# KiCad board bsl_drv_v1.kicad_pcb
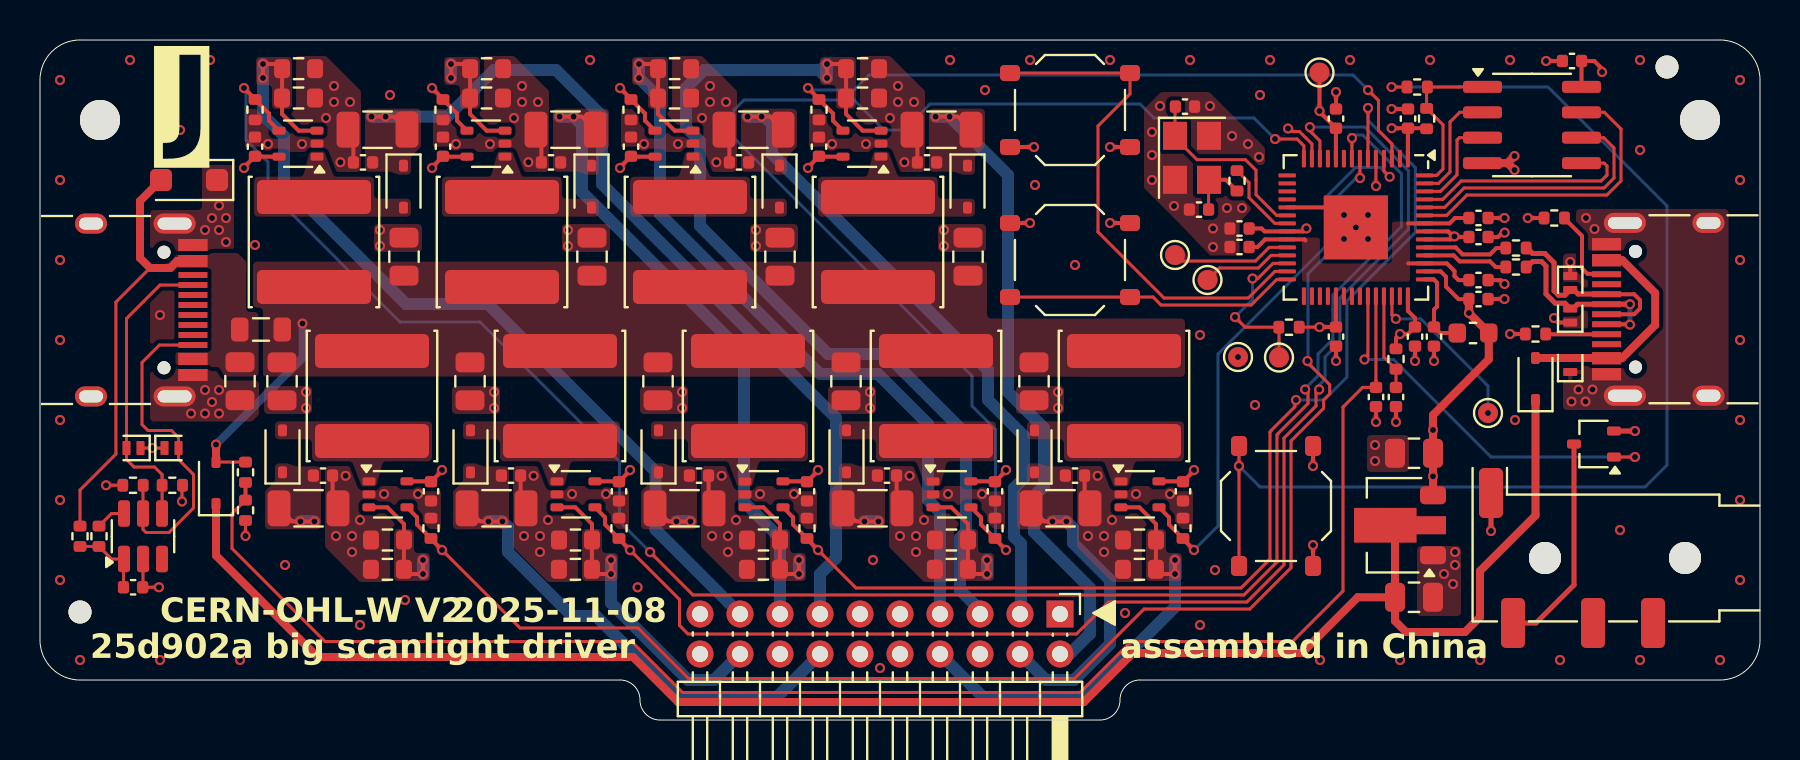
[diagram p0: board, top side]
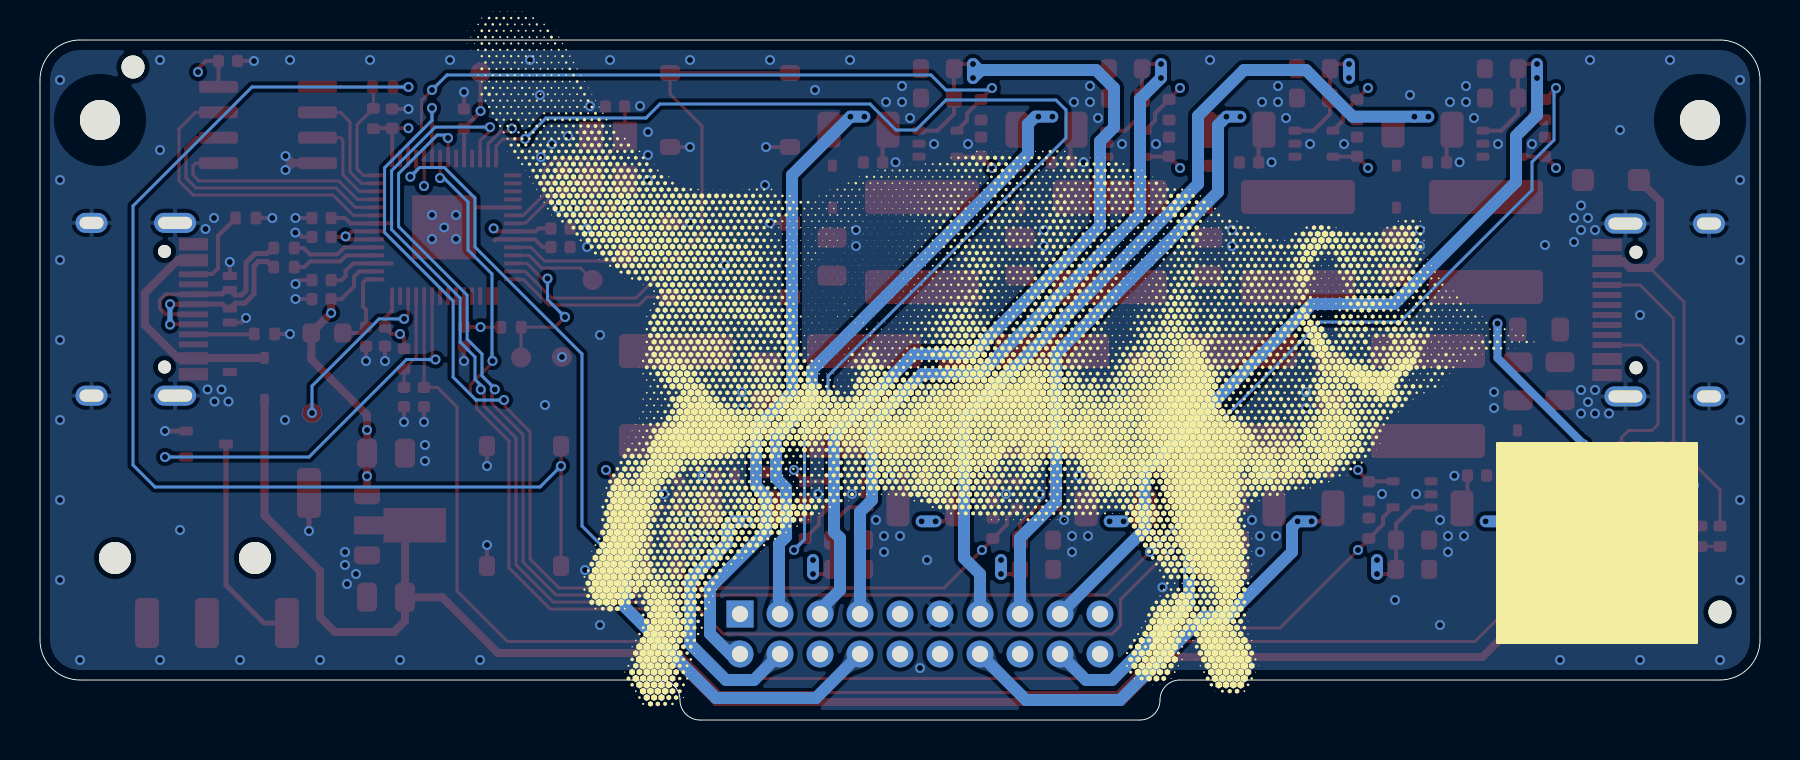
[diagram p1: board, bottom side, seen from below]

Outline 86 x 34 mm; copper layers: Top, In1.Cu, In2.Cu, Bottom. Coordinates in mm from the lower left corner of the outline.
Outline path: 0,32 arc(0.59,33.41) 2,34 84,34 arc(85.41,33.41) 86,32 86,4 arc(85.41,2.59) 84,2 55,2 arc(54.29,1.71) 54,1 arc(53.71,0.29) 53,0 31,0 arc(30.29,0.29) 30,1 arc(29.71,1.71) 29,2 2,2 arc(0.59,2.59) 0,4 0,32
Stack: Top 0.035mm / dielectric 0.1mm FR4 er 4.5 / In1.Cu 0.035mm / dielectric 1.24mm FR4 er 4.5 / In2.Cu 0.035mm / dielectric 0.1mm FR4 er 4.5 / Bottom 0.035mm

## Placement (name value [footprint] x y rotation side)
C101  0.1u  [C_0402_1005Metric]  71.92 25.1 0 top
C102  0.1u  [C_0402_1005Metric]  59.98 23.65 180 top
C103  0.1u  [C_0402_1005Metric]  64.8 19.17 270 top
C104  0.1u  [C_0402_1005Metric]  59.97 24.58 180 top
C105  0.1u  [C_0402_1005Metric]  68.75 19.17 270 top
C106  0.1u  [C_0402_1005Metric]  64.8 30.07 90 top
C107  0.1u  [C_0402_1005Metric]  71.92 24.15 0 top
C108  0.1u  [C_0402_1005Metric]  68.4 30.07 90 top
C109  2.2u  [C_0402_1005Metric]  71.92 22 0 top
C110  2.2u  [C_0402_1005Metric]  71.92 21.05 0 top
C111  2.2u  [C_0402_1005Metric]  69.7 19.17 270 top
C112  2.2u  [C_0402_1005Metric]  76.6 32.95 180 top
C113  15p  [C_0402_1005Metric]  57.25 30.67 180 top
C114  15p  [C_0402_1005Metric]  57.95 25.52 0 top
C115  0.1u  [C_0402_1005Metric]  66.8 16.15 270 top
C116  0.1u  [C_0402_1005Metric]  67.8 16.15 270 top
C201  10u  [C_0805_2012Metric]  10 16.94 270 top
C202  2.2u  [C_0402_1005Metric]  4.65 6.64 0 top
C203  10u  [C_0805_2012Metric]  68.7 6.14 0 top
C204  10u  [C_0805_2012Metric]  68.7 13.34 180 top
C301  10u  [C_0805_2012Metric]  49.7 16.94 270 top
C302  2.2u  [C_0402_1005Metric]  57.15 11.44 270 top
C303  0.1u  [C_0402_1005Metric]  51.75 12.22 0 top
C304  4.7u  [C_1206_3216Metric]  51.02 10.59 0 top
C401  10u  [C_0805_2012Metric]  18.2 23.17 90 top
C402  2.2u  [C_0402_1005Metric]  10.75 28.67 90 top
C403  0.1u  [C_0402_1005Metric]  16.15 27.88 180 top
C404  4.7u  [C_1206_3216Metric]  16.88 29.52 180 top
C501  10u  [C_0805_2012Metric]  37 23.17 90 top
C502  2.2u  [C_0402_1005Metric]  29.55 28.67 90 top
C503  0.1u  [C_0402_1005Metric]  34.95 27.88 180 top
C504  4.7u  [C_1206_3216Metric]  35.68 29.52 180 top
C601  10u  [C_0805_2012Metric]  21.5 16.94 270 top
C602  2.2u  [C_0402_1005Metric]  28.95 11.44 270 top
C603  0.1u  [C_0402_1005Metric]  23.55 12.22 0 top
C604  4.7u  [C_1206_3216Metric]  22.82 10.59 0 top
C701  10u  [C_0805_2012Metric]  30.9 16.94 270 top
C702  2.2u  [C_0402_1005Metric]  38.35 11.44 270 top
C703  0.1u  [C_0402_1005Metric]  32.95 12.22 0 top
C704  4.7u  [C_1206_3216Metric]  32.22 10.59 0 top
C801  10u  [C_0805_2012Metric]  27.6 23.17 90 top
C802  2.2u  [C_0402_1005Metric]  20.15 28.67 90 top
C803  0.1u  [C_0402_1005Metric]  25.55 27.88 180 top
C804  4.7u  [C_1206_3216Metric]  26.28 29.52 180 top
C901  10u  [C_0805_2012Metric]  40.3 16.94 270 top
C902  2.2u  [C_0402_1005Metric]  47.75 11.44 270 top
C903  0.1u  [C_0402_1005Metric]  42.35 12.22 0 top
C904  4.7u  [C_1206_3216Metric]  41.62 10.59 0 top
C1001  10u  [C_0805_2012Metric]  46.4 23.17 90 top
C1002  2.2u  [C_0402_1005Metric]  38.95 28.67 90 top
C1003  0.1u  [C_0402_1005Metric]  44.35 27.88 180 top
C1004  4.7u  [C_1206_3216Metric]  45.08 29.52 180 top
C1101  10u  [C_0805_2012Metric]  12.1 16.94 270 top
C1102  2.2u  [C_0402_1005Metric]  19.55 11.44 270 top
C1103  0.1u  [C_0402_1005Metric]  14.15 12.22 0 top
C1104  4.7u  [C_1206_3216Metric]  13.42 10.59 0 top
D201  SMF20CA  [D_SOD-123F]  7.45 27 180 top
D202  H5VL10B  [D_SOD-882]  6.57 13.6 0 top
D203  H5VL10B  [D_SOD-882]  4.67 13.6 180 top
D204  SD103AWS  [D_SOD-323]  8.8 11.85 90 top
D205  SD103AWS  [D_SOD-323]  74.77 17.05 90 top
D206  H3V3U10B  [D_SOD-882]  76.51 21.85 270 top
D207  H3V3U10B  [D_SOD-882]  76.51 20.23 90 top
D208  H5VL10B  [D_SOD-882]  76.51 17.75 90 top
D301  SD103AWS  [D_SOD-323]  49.72 13.44 90 top
D401  SD103AWS  [D_SOD-323]  18.18 26.67 270 top
D501  SD103AWS  [D_SOD-323]  36.98 26.67 270 top
D601  SD103AWS  [D_SOD-323]  21.52 13.44 90 top
D701  SD103AWS  [D_SOD-323]  30.92 13.44 90 top
D801  SD103AWS  [D_SOD-323]  27.58 26.67 270 top
D901  SD103AWS  [D_SOD-323]  40.33 13.44 90 top
D1001  SD103AWS  [D_SOD-323]  46.38 26.67 270 top
D1101  SD103AWS  [D_SOD-323]  12.12 13.44 90 top
FB101  600ohm@100MHz  [L_0603_1608Metric]  71.65 19.35 180 top
FB201  120ohm@100MHz  [L_0805_2012Metric]  11.05 19.53 0 top
H101  M2 clearance hole, close fit  [MountingHole_2.2mm_M2_Mask_tight]  83 30 0 top
H102  M2 clearance hole, close fit  [MountingHole_2.2mm_M2_Mask_tight]  3 30 0 top
H103  tooling hole  [ToolingHole_1.152mm]  2 5.4 0 top
H104  tooling hole  [ToolingHole_1.152mm]  81.35 32.65 0 top
J101  2005WR-2x10P  [PinHeader_2x10_P2.00mm_Horizontal]  51 5.3 270 top
J102  PJ-320D-4A  [Jack_3.5mm_KoreanHropartsElec_PJ-320D-4A_Horizontal]  77.5 8.1 180 top
J201  TYPE-C-31-M-12  [USB_C_Receptacle_HRO_TYPE-C-31-M-12]  3.6 20.5 270 top
J202  TYPE-C-31-M-12  [USB_C_Receptacle_HRO_TYPE-C-31-M-12]  82.37 20.54 90 top
L301  82u  [L_Sunlord_SWPA6028S]  54.2 16.2 270 top
L401  82u  [L_Sunlord_SWPA6028S]  13.7 23.9 90 top
L501  82u  [L_Sunlord_SWPA6028S]  32.5 23.9 90 top
L601  82u  [L_Sunlord_SWPA6028S]  26 16.2 270 top
L701  82u  [L_Sunlord_SWPA6028S]  35.4 16.2 270 top
L801  82u  [L_Sunlord_SWPA6028S]  23.1 23.9 90 top
L901  82u  [L_Sunlord_SWPA6028S]  44.8 16.2 270 top
L1001  82u  [L_Sunlord_SWPA6028S]  41.9 23.9 90 top
L1101  82u  [L_Sunlord_SWPA6028S]  16.6 16.2 270 top
Q101  BSS138  [SOT-323_SC-70]  77.7 13.8 180 top
R101  27  [R_0402_1005Metric]  73.8 22.65 0 top
R102  27  [R_0402_1005Metric]  73.8 23.6 180 top
R103  1k  [R_0402_1005Metric]  68.86 31.65 0 top
R104  1k  [R_0402_1005Metric]  62.45 19.64 0 top
R105  10k  [R_0402_1005Metric]  69.33 30.07 90 top
R106  1k  [R_0402_1005Metric]  59.85 26.96 90 top
R107  20k  [R_0402_1005Metric]  10.28 12.38 90 top
R108  5.1k  [R_0402_1005Metric]  10.28 10.48 270 top
R109  5.1k  [R_0402_1005Metric]  67.8 18.05 270 top
R201  1k  [R_0402_1005Metric]  2 9.19 90 top
R202  20k  [R_0402_1005Metric]  2.95 9.19 270 top
R203  5.1k  [R_0402_1005Metric]  4.65 11.74 0 top
R204  5.1k  [R_0402_1005Metric]  6.61 11.74 0 top
R205  5.1k  [R_0402_1005Metric]  75.71 25.1 0 top
R206  5.1k  [R_0402_1005Metric]  74.77 19.3 180 top
R301  10k  [R_0402_1005Metric]  57.15 9.59 90 top
R302  5.1  [R_0603_1608Metric]  54.97 7.53 180 top
R303  5.1  [R_0603_1608Metric]  54.97 9 180 top
R401  10k  [R_0402_1005Metric]  10.75 30.52 270 top
R402  5.1  [R_0603_1608Metric]  12.93 31.1 0 top
R403  5.1  [R_0603_1608Metric]  12.93 32.57 0 top
R501  10k  [R_0402_1005Metric]  29.55 30.52 270 top
R502  5.1  [R_0603_1608Metric]  31.73 31.1 0 top
R503  5.1  [R_0603_1608Metric]  31.73 32.57 0 top
R601  10k  [R_0402_1005Metric]  28.95 9.59 90 top
R602  5.1  [R_0603_1608Metric]  26.77 9 180 top
R603  5.1  [R_0603_1608Metric]  26.77 7.54 180 top
R701  10k  [R_0402_1005Metric]  38.35 9.59 90 top
R702  5.1  [R_0603_1608Metric]  36.17 7.54 180 top
R703  5.1  [R_0603_1608Metric]  36.17 9 180 top
R801  10k  [R_0402_1005Metric]  20.15 30.52 270 top
R802  5.1  [R_0603_1608Metric]  22.33 32.57 0 top
R803  5.1  [R_0603_1608Metric]  22.33 31.1 0 top
R901  10k  [R_0402_1005Metric]  47.75 9.59 90 top
R902  5.1  [R_0603_1608Metric]  45.58 9 180 top
R903  5.1  [R_0603_1608Metric]  45.57 7.54 180 top
R1001  10k  [R_0402_1005Metric]  38.95 30.52 270 top
R1002  5.1  [R_0603_1608Metric]  41.13 32.57 0 top
R1003  5.1  [R_0603_1608Metric]  41.13 31.1 0 top
R1101  10k  [R_0402_1005Metric]  19.55 9.59 90 top
R1102  5.1  [R_0603_1608Metric]  17.37 7.54 180 top
R1103  5.1  [R_0603_1608Metric]  17.38 9 180 top
REF**  -  [orangecat]  64.64 35.1 180 bottom
SW101  TS-1187A  [SW_PTS526]  61.8 10.7 270 top
SW102  TS-1187A  [SW_PTS526]  51.5 23 0 top
SW103  TS-1187A  [SW_PTS526]  51.5 30.5 180 top
TP101  TestPoint  [TestPoint_Pad_D1.0mm]  63.97 32.38 0 top
TP102  TestPoint  [TestPoint_Pad_D1.0mm]  61.95 18.13 0 top
TP103  TestPoint  [TestPoint_Pad_D1.0mm]  56.75 23.25 0 top
TP104  TestPoint  [TestPoint_Pad_D1.0mm]  58.38 22 45 top
TP105  TestPoint  [TestPoint_Pad_D1.0mm]  59.9 18.15 0 top
TP106  TestPoint  [TestPoint_Pad_D1.0mm]  72.4 15.35 0 top
U101  W25Q16JVSNIQ  [SOIC-8_3.9x4.9mm_P1.27mm]  74.6 29.75 0 top
U102  RP2040  [QFN-56-1EP_7x7mm_P0.4mm_EP3.2x3.2mm]  65.8 24.63 270 top
U201  CH221K  [SOT-23-6]  5.15 9.19 90 top
U202  HT7533-1  [SOT-89-3]  67.7 9.74 180 top
U301  TPS61169  [SOT-353_SC-70-5]  55 11.29 0 top
U401  TPS61169  [SOT-353_SC-70-5]  12.9 28.82 180 top
U501  TPS61169  [SOT-353_SC-70-5]  31.7 28.82 180 top
U601  TPS61169  [SOT-353_SC-70-5]  26.8 11.29 0 top
U701  TPS61169  [SOT-353_SC-70-5]  36.2 11.29 0 top
U801  TPS61169  [SOT-353_SC-70-5]  22.3 28.82 180 top
U901  TPS61169  [SOT-353_SC-70-5]  45.6 11.29 0 top
U1001  TPS61169  [SOT-353_SC-70-5]  41.1 28.82 180 top
U1101  TPS61169  [SOT-353_SC-70-5]  17.4 11.29 0 top
Y101  ABM8-272-T3  [Crystal_SMD_Abracon_ABM8G-4Pin_3.2x2.5mm]  57.6 28.11 270 top

## Library data of the parts
C101-C108 C115 C116 C303 C403 C503 C603 C703 C803 C903 C1003 C1103 = -: MPN: CL05B104KB54PNC; Non-Critical: Y; Category: iND87204 Critical; LCSC: C307331; JLCPCB Basic: Y; ki_fp_filters: C_*
C109-C112 C202 C302 C402 C502 C602 C702 C802 C902 C1002 C1102 = -: MPN: CL05A225MQ5NSNC; LCSC: C12530; JLCPCB Basic: Y; ki_fp_filters: C_*
C113 C114 = -: LCSC: C1548; MPN: 0402CG150J500NT; JLCPCB Basic: Y; ki_fp_filters: C_*
C201 C203 C204 C301 C401 C501 C601 C701 C801 C901 C1001 C1101 = -: MPN: CL21A106KAYNNNE; LCSC: C15850; JLCPCB Basic: Y; ki_fp_filters: C_*
C304 C404 C504 C604 C704 C804 C904 C1004 C1104 = -: MPN: 1206B475K500NT; LCSC: C29823; JLCPCB Basic: Y; ki_fp_filters: C_*
D201 = -: LCSC: C42371747; JLCPCB Basic: Y; ki_fp_filters: D*SMA*
D202 D203 D208 = -: LCSC: C7420372; JLCPCB Basic: Y; ki_fp_filters: TO-???* *_Diode_* *SingleDiode* D_*
D204 D205 D301 D401 D501 D601 D701 D801 D901 D1001 D1101 = -: LCSC: C7420360; JLCPCB Basic: Y; ki_fp_filters: TO-???* *_Diode_* *SingleDiode* D_*
D206 D207 = -: LCSC: C20615782; JLCPCB Basic: Y; ki_fp_filters: TO-???* *_Diode_* *SingleDiode* D_*
FB101 = -: LCSC: C1002; MPN: GZ1608D601TF; JLCPCB Basic: Y; ki_fp_filters: Inductor_* L_* *Ferrite*
FB201 = -: LCSC: C97001; MPN: UPZ2012E121-4R0TF; ki_fp_filters: Inductor_* L_* *Ferrite*
H101-H104 = -: Description: Mounting Hole without connection; ki_fp_filters: MountingHole*
J101 = -: LCSC: C6837626; ki_fp_filters: Connector*:*_2x??_*
J102 = -: LCSC: C95562; ki_fp_filters: Jack*
J201 J202 = -: Datasheet: https://jlcpcb.com/api/file/downloadByFileSystemAccessId/8550723676069908480; LCSC: C165948; ki_fp_filters: USB*C*Receptacle*
L301 L401 L501 L601 L701 L801 L901 L1001 L1101 = -: LCSC: C7588760; MPN: CR6028-820M; ki_fp_filters: Choke_* *Coil* Inductor_* L_*
Q101 = -: Datasheet: https://www.onsemi.com/pub/Collateral/BSS138-D.PDF; LCSC: C28646265; MPN: BSS138W; JLCPCB Basic: Y; ki_fp_filters: SOT?23*
R101 R102 = -: Description: RES THICK FILM 1%; LCSC: C25100; MPN: 0402WGF270JTCE; ki_fp_filters: R_*
R103 R104 R106 R201 = -: Description: RES THICK FILM 1%; LCSC: C11702; MPN: 0402WGF1001TCE; JLCPCB Basic: Y; ki_fp_filters: R_*
R105 R301 R401 R501 R601 R701 R801 R901 R1001 R1101 = -: Description: RES THICK FILM 1%; LCSC: C25744; MPN: 0402WGF1002TCE; JLCPCB Basic: Y; ki_fp_filters: R_*
R107 R202 = -: Description: RES THICK FILM 1%; LCSC: C25765; MPN: 0402WGF2002TCE; JLCPCB Basic: Y; ki_fp_filters: R_*
R108 R109 R203-R206 = -: Description: RES THICK FILM 1%; LCSC: C25905; MPN: 0402WGF5101TCE; JLCPCB Basic: Y; ki_fp_filters: R_*
R302 R303 R402 R403 R502 R503 R602 R603 R702 R703 R802 R803 R902 R903 R1002 R1003 R1102 R1103 = -: Description: RES THICK FILM 1%; LCSC: C25197; MPN: 0603WAF510KT5E; JLCPCB Basic: Y; ki_fp_filters: R_*
SW101-SW103 = -: Datasheet: https://jlcpcb.com/api/file/downloadByFileSystemAccessId/8550724022091735041; LCSC: C318884; MPN: TS-1187A-B-A-B; JLCPCB Basic: Y
TP101-TP106 = -: Description: test point; ki_fp_filters: Pin* Test*
U101 = -: Datasheet: https://www.winbond.com/hq/support/documentation/levelOne.jsp?__locale=en&DocNo=DA00-W25Q16JV.1; LCSC: C2456211; ki_fp_filters: *SOIC*5.3x5.3mm*P1.27mm*
U102 = -: Datasheet: https://datasheets.raspberrypi.com/rp2040/rp2040-datasheet.pdf; LCSC: C2040; ki_fp_filters: QFN*1EP*7x7mm?P0.4mm*
U201 = -: Datasheet: https://jlcpcb.com/api/file/downloadByFileSystemAccessId/8618867384841089024; LCSC: C5125736; ki_fp_filters: SSOP*3.9x4.9mm*P1mm*EP2.1x3.3mm*
U202 = -: Datasheet: https://www.holtek.com/documents/10179/116711/HT75xx-1v250.pdf; LCSC: C14289; JLCPCB Basic: Y; ki_fp_filters: SOT?89*
U301 U401 U501 U601 U701 U801 U901 U1001 U1101 = -: Datasheet: https://www.ti.com/lit/ds/symlink/tps61169.pdf; LCSC: C71045; MPN: TPS61169DCKR; ki_fp_filters: SOT?23*
Y101 = -: LCSC: C20625731; ki_fp_filters: Crystal*

## Footprints (pads in the part's own frame, mm; a bottom-side part is the same pattern mirrored in y, then rotated)
C_0402_1005Metric
  rrect 0.56x0.62 smd: 1(-0.48,0) 2(0.48,0)
C_0805_2012Metric
  rrect 1x1.45 smd: 1(-0.95,0) 2(0.95,0)
C_1206_3216Metric
  rrect 1.15x1.8 smd: 1(-1.475,0) 2(1.475,0)
Crystal_SMD_Abracon_ABM8G-4Pin_3.2x2.5mm
  rect 1.4x1.2 smd: 1(-1.1,-0.85) 2(1.1,-0.85) 3(1.1,0.85) 4(-1.1,0.85)
D_SOD-123F
  rrect 1.1x1.1 smd: 1(-1.4,0) 2(1.4,0)
D_SOD-323
  rrect 0.6x0.45 smd: 1(-1.05,0) 2(1.05,0)
D_SOD-882
  rrect 0.3x0.6 smd: (-0.35,0) (0.35,0)
  rrect 0.4x0.7 smd: 1(-0.35,0) 2(0.35,0)
Jack_3.5mm_KoreanHropartsElec_PJ-320D-4A_Horizontal
  round 1.6 hole 1.6 unplated: (-4.75,0) (2.25,0)
  rrect 1.2x2.5 smd: R1(-0.15,3.25) R2(-3.15,3.25) S(4.95,-3.25) T(3.85,3.25)
L_0603_1608Metric
  rrect 0.875x0.95 smd: 1(-0.788,0) 2(0.788,0)
L_0805_2012Metric
  rrect 0.875x1.2 smd: 1(-1.062,0) 2(1.062,0)
L_Sunlord_SWPA6028S
  rrect 1.7x5.7 smd: 1(-2.25,0) 2(2.25,0)
MountingHole_2.2mm_M2_Mask_tight
  round 2 hole 2.2 unplated: (0,0)
PinHeader_2x10_P2.00mm_Horizontal
  rect 1.35x1.35 hole 0.8: 1(0,0)
  round 1.35 hole 0.8: 2(2,0) 3(0,-2) 4(2,-2) 5(0,-4) 6(2,-4) 7(0,-6) 8(2,-6) 9(0,-8) 10(2,-8) 11(0,-10) 12(2,-10) 13(0,-12) 14(2,-12) 15(0,-14) 16(2,-14) 17(0,-16) 18(2,-16) 19(0,-18) 20(2,-18)
QFN-56-1EP_7x7mm_P0.4mm_EP3.2x3.2mm
  rrect 1.29x1.29 smd: (-0.8,0.8) (-0.8,-0.8) (0.8,0.8) (0.8,-0.8)
  rrect 0.875x0.2 smd: 1(-3.438,2.6) 2(-3.438,2.2) 3(-3.438,1.8) 4(-3.438,1.4) 5(-3.438,1) 6(-3.438,0.6) 7(-3.438,0.2) 8(-3.438,-0.2) 9(-3.438,-0.6) 10(-3.438,-1) 11(-3.438,-1.4) 12(-3.438,-1.8) 13(-3.438,-2.2) 14(-3.438,-2.6) 29(3.438,-2.6) 30(3.438,-2.2) 31(3.438,-1.8) 32(3.438,-1.4) 33(3.438,-1) 34(3.438,-0.6) 35(3.438,-0.2) 36(3.438,0.2) 37(3.438,0.6) 38(3.438,1) 39(3.438,1.4) 40(3.438,1.8) 41(3.438,2.2) 42(3.438,2.6)
  rrect 0.2x0.875 smd: 15(-2.6,-3.438) 16(-2.2,-3.438) 17(-1.8,-3.438) 18(-1.4,-3.438) 19(-1,-3.438) 20(-0.6,-3.438) 21(-0.2,-3.438) 22(0.2,-3.438) 23(0.6,-3.438) 24(1,-3.438) 25(1.4,-3.438) 26(1.8,-3.438) 27(2.2,-3.438) 28(2.6,-3.438) 43(2.6,3.438) 44(2.2,3.438) 45(1.8,3.438) 46(1.4,3.438) 47(1,3.438) 48(0.6,3.438) 49(0.2,3.438) 50(-0.2,3.438) 51(-0.6,3.438) 52(-1,3.438) 53(-1.4,3.438) 54(-1.8,3.438) 55(-2.2,3.438) 56(-2.6,3.438)
  rect 3.2x3.2 smd: 57(0,0)
R_0402_1005Metric
  rrect 0.54x0.64 smd: 1(-0.51,0) 2(0.51,0)
R_0603_1608Metric
  rrect 0.8x0.95 smd: 1(-0.825,0) 2(0.825,0)
SOIC-8_3.9x4.9mm_P1.27mm
  rrect 1.95x0.6 smd: 1(-2.475,1.905) 2(-2.475,0.635) 3(-2.475,-0.635) 4(-2.475,-1.905) 5(2.475,-1.905) 6(2.475,-0.635) 7(2.475,0.635) 8(2.475,1.905)
SOT-23-6
  rrect 1.325x0.6 smd: 1(-1.137,0.95) 2(-1.137,0) 3(-1.137,-0.95) 4(1.137,-0.95) 5(1.137,0) 6(1.137,0.95)
SOT-89-3
  rrect 1.3x0.9 smd: 1(-1.95,1.5) 3(-1.95,-1.5)
  custom 4.6x1.733 smd: 2(-1.862,0)
SOT-323_SC-70
  rrect 0.7x0.45 smd: 1(-1,0.65) 2(-1,-0.65) 3(1,0)
SOT-353_SC-70-5
  rrect 0.65x0.4 smd: 1(-0.95,0.65) 2(-0.95,0) 3(-0.95,-0.65) 4(0.95,-0.65) 5(0.95,0.65)
SW_PTS526
  rrect 1x0.8 smd: 1(-3,1.85) 1(3,1.85) 2(-3,-1.85) 2(3,-1.85)
TestPoint_Pad_D1.0mm
  round 1 smd: 1(0,0)
ToolingHole_1.152mm
  round 1.152 hole 1.152 unplated: (0,0)
USB_C_Receptacle_HRO_TYPE-C-31-M-12
  round 0.65 hole 0.65 unplated: (-2.89,2.6) (2.89,2.6)
  rect 0.6x1.45 smd: A1(-3.25,4.045) A4(-2.45,4.045) A9(2.45,4.045) A12(3.25,4.045) B1(3.25,4.045) B4(2.45,4.045) B9(-2.45,4.045) B12(-3.25,4.045)
  rect 0.3x1.45 smd: A5(-1.25,4.045) A6(-0.25,4.045) A7(0.25,4.045) A8(1.25,4.045) B5(1.75,4.045) B6(0.75,4.045) B7(-0.75,4.045) B8(-1.75,4.045)
  oval 1x2.1 hole 0.6x1.7: S1(-4.32,3.13) S1(4.32,3.13)
  oval 1x1.6 hole 0.6x1.2: S1(-4.32,-1.05) S1(4.32,-1.05)

## Nets
+1V1: C101.1 C102.1 C109.1 U102.23 U102.45 U102.50
+3V3: C103.1 C104.1 C105.1 C106.1 C107.1 C108.1 C110.1 C112.1 C204.1 C302.1 C402.1 C502.1 C602.1 C702.1 C802.1 C902.1 C1002.1 C1102.1 FB101.1 R104.2 R105.1 R109.1 TP101.1 U101.8 U102.1 U102.10 U102.22 U102.33 U102.42 U102.44 U102.48 U102.49 U202.3 U301.5 U401.5 U501.5 U601.5 U701.5 U801.5 U901.5 U1001.5 U1101.5
/VBUS_SENSE: C115.1 R107.1 R108.1 U102.38
GND: C101.2 C102.2 C103.2 C104.2 C105.2 C106.2 C107.2 C108.2 C109.2 C110.2 C111.2 C112.2 C113.1 C114.1 C115.2 C116.2 C201.2 C202.2 C203.2 C204.2 C301.2 C302.2 C303.2 C304.2 C401.2 C402.2 C403.2 C404.2 C501.2 C502.2 C503.2 C504.2 C601.2 C602.2 C603.2 C604.2 C701.2 C702.2 C703.2 C704.2 C801.2 C802.2 C803.2 C804.2 C901.2 C902.2 C903.2 C904.2 C1001.2 C1002.2 C1003.2 C1004.2 C1101.2 C1102.2 C1103.2 C1104.2 D201.1 D202.1 D203.1 D206.1 D207.1 D208.1 J101.11 J102.S J201.A1 J201.A12 J201.B1 J201.B12 J201.S1 J202.A1 J202.A12 J202.B1 J202.B12 J202.S1 Q101.2 R108.2 R203.1 R204.2 R205.1 R206.2 R301.2 R302.2 R303.2 R401.2 R402.2 R403.2 R501.2 R502.2 R503.2 R601.2 R602.2 R603.2 R701.2 R702.2 R703.2 R801.2 R802.2 R803.2 R901.2 R902.2 R903.2 R1001.2 R1002.2 R1003.2 R1101.2 R1102.2 R1103.2 SW101.1 SW102.1 SW103.1 TP105.1 U101.4 U102.19 U102.57 U201.2 U202.1 U301.2 U401.2 U501.2 U601.2 U701.2 U801.2 U901.2 U1001.2 U1101.2 Y101.2 Y101.4
VBUS: C301.1 C401.1 C501.1 C601.1 C701.1 C801.1 C901.1 C1001.1 C1101.1 D204.2 FB201.2 L301.1 L401.1 L501.1 L601.1 L701.1 L801.1 L901.1 L1001.1 L1101.1 R107.2
VDDA: C111.1 FB101.2 U102.43
/B1: R701.1 U102.6 U701.4
/B1+: C703.1 C704.1 D701.1 J101.6
/B1-: J101.10 R702.1 R703.1 U701.3
/B2: R801.1 U102.13 U801.4
/B2+: C803.1 C804.1 D801.1 J101.15
/B2-: J101.20 R802.1 R803.1 U801.3
/BUTTON_1: SW102.2 U102.28
/BUTTON_2: SW103.2 U102.27
/G1: R501.1 U102.5 U501.4
/G1+: C503.1 C504.1 D501.1 J101.3
/G1-: J101.7 R502.1 R503.1 U501.3
/G2: R601.1 U102.12 U601.4
/G2+: C603.1 C604.1 D601.1 J101.14
/G2-: J101.18 R602.1 R603.1 U601.3
/IR: R901.1 U102.14 U901.4
/IR+: C903.1 C904.1 D901.1 J101.1
/IR-: J101.19 R902.1 R903.1 U901.3
/QSPI_SS: R103.2 R105.2 U101.1 U102.56
/R1: R301.1 U102.4 U301.4
/R1+: C303.1 C304.1 D301.1 J101.4
/R1-: J101.8 R302.1 R303.1 U301.3
/R2: R401.1 U102.8 U401.4
/R2+: C403.1 C404.1 D401.1 J101.13
/R2-: J101.17 R402.1 R403.1 U401.3
/SHUTTER: Q101.1 U102.37
/TH: J101.9
/TH+: C116.1 R109.2 U102.39
/usb ports/USB_N: D207.2 J202.A7 J202.B7 R101.2
/usb ports/USB_P: D206.2 J202.A6 J202.B6 R102.1
/USB_X_N: R101.1 U102.46
/USB_X_P: R102.2 U102.47
/W1: R1001.1 U102.3 U1001.4
/W1+: C1003.1 C1004.1 D1001.1 J101.2
/W1-: J101.5 R1002.1 R1003.1 U1001.3
/W2: R1101.1 U102.7 U1101.4
/W2+: C1103.1 C1104.1 D1101.1 J101.12
/W2-: J101.16 R1102.1 R1103.1 U1101.3
Net-(C114-Pad2): C114.2 R106.1 Y101.3
Net-(D201-A2): C201.1 D201.2 FB201.1 J201.A4 J201.A9 J201.B4 J201.B9 R201.2
Net-(D202-A2): D202.2 J201.B5 R203.2 U201.5
Net-(D203-A2): D203.2 J201.A5 R204.1 U201.4
Net-(D204-K): C203.1 D204.1 D205.1 U202.2
Net-(D205-A): D205.2 D208.2 J202.A4 J202.A9 J202.B4 J202.B9
Net-(D301-A): D301.2 L301.2 U301.1
Net-(D401-A): D401.2 L401.2 U401.1
Net-(D501-A): D501.2 L501.2 U501.1
Net-(D601-A): D601.2 L601.2 U601.1
Net-(D701-A): D701.2 L701.2 U701.1
Net-(D801-A): D801.2 L801.2 U801.1
Net-(D901-A): D901.2 L901.2 U901.1
Net-(D1001-A): D1001.2 L1001.2 U1001.1
Net-(D1101-A): D1101.2 L1101.2 U1101.1
Net-(J202-CC1): J202.A5 R206.1
Net-(J202-CC2): J202.B5 R205.2
Net-(Q101-D): J102.T Q101.3
Net-(R103-Pad1): R103.1 SW101.2
Net-(U101-CLK): U101.6 U102.52
Net-(U101-DI/IO_{0}): U101.5 U102.53
Net-(U101-DO/IO_{1}): U101.2 U102.55
Net-(U101-~{HOLD}/~{RESET}/IO_{3}): U101.7 U102.51
Net-(U101-~{WP}/IO_{2}): U101.3 U102.54
Net-(U102-GPIO28_ADC2): TP106.1 U102.40
Net-(U102-RUN): R104.1 TP102.1 U102.26
Net-(U102-SWCLK): TP103.1 U102.24
Net-(U102-SWD): TP104.1 U102.25
Net-(U102-XIN): C113.2 U102.20 Y101.1
Net-(U102-XOUT): R106.2 U102.21
Net-(U201-CFG): R202.1 U201.6
Net-(U201-VDD): C202.1 R201.1 R202.2 U201.1

Pads without a net: J102 R1 R2; J201 A6 A7 A8 B6 B7 B8; J202 A8 B8; U102 2 9 11 15 16 17 18 29 30 31 32 34 35 36 41; U201 3

## Via types
v1: diameter 0.5, hole 0.3, Top to Bottom, 302 vias
